# Allegro board LAY-38820_A.brd (continued)
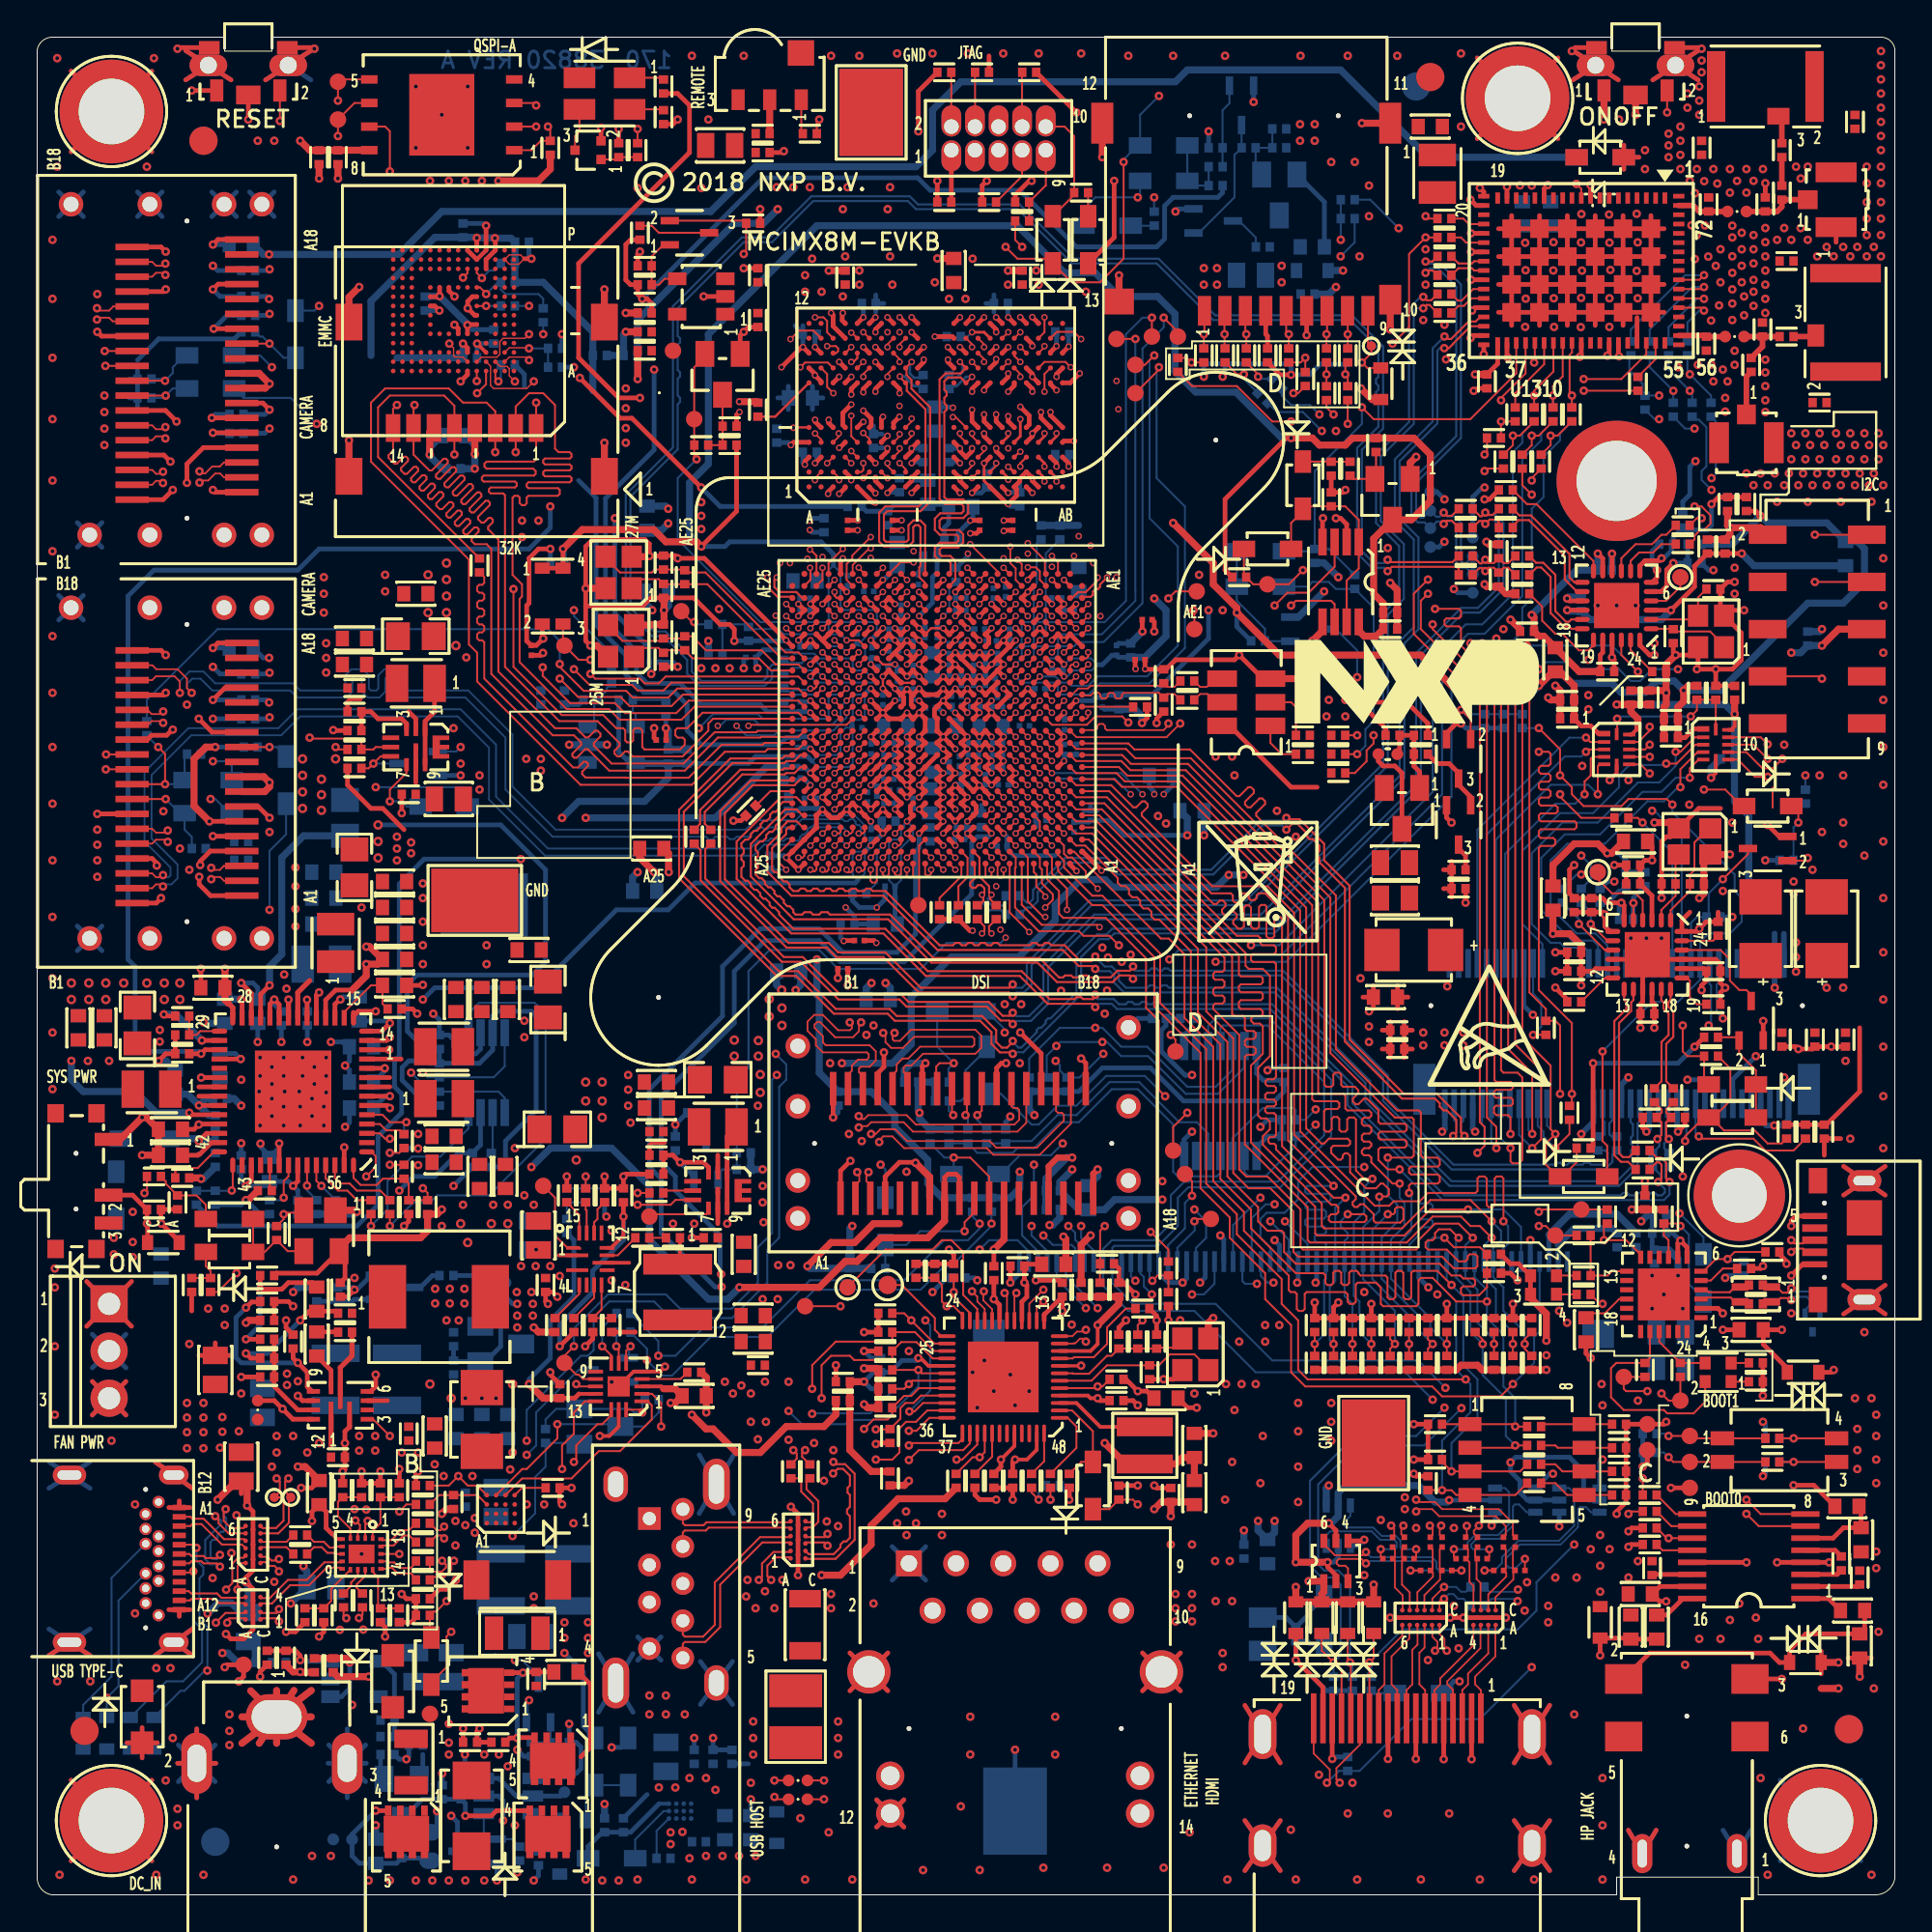
[diagram p0: board, top side]
## Routing (per net, layer and track width the routed paths; a pad name or vN(x,y) marks a point on that pad's centre or on a via; arc(x,y) is an arc through that point) (continued)
  TOP w0.33: J1501.A18 56.85,38.81 v1(57.09,39.05) ; J1501.A15 54.45,39.21 54.93,39.69 v1(55.71,39.69)
  TOP w0.381: v1(29.78,67.25) 30.14,67.25 Y401.4 ; Y402.4 29.54,70.33 v1(29.53,70.32) ; J1601.12 v1(57.34,93.54) ; v1(81.34,64.45) 81.47,64.32 C1432.2 ; v1(21.13,77.53) 21.13,78.73 J601.P6 ; v1(87.69,64.71) 87.69,64.07 87.57,63.95 C1435.2 C1436.2 ; v1(87.69,64.71) 87.57,64.83 C1434.2 C1433.2 ; v1(87.69,64.71) 87.69,64.83 87.69,64.83 R1330.1 87.69,66.22 v1(88.2,66.74) ; v1(68.26,65.54) 68.19,65.47 Y501.3 ; v1(44.51,26.4) 44.69,26.22 R1217.2 R1213.2 R1214.2 45.2,28.34 v1(44.51,28.34) ; v1(87.06,57.72) 88.05,57.72 Y1401.2 ; J1601.13 v1(58.24,87.18) ; J1501.A12 52.05,35.28 v1(51.5,34.73) ; v1(72.83,70.62) 73.21,70.25 C802.2 C801.2 ; C17.2 32.43,55.83 v1(33.21,55.05) ; v1(91.12,56) Y1401.4 89.72,55.66 C1429.2 89.72,53.9 v1(89.47,53.66) ; R1340.2 78.15,72.7 v1(78.02,72.83) ; J601.S2 v1(16.78,78.29) ; SW1701.1 v1(84.34,95.57) ; Y1201.2 63.04,30.79 v1(63.31,31.05) ; R939.2 14.18,11.98 v1(14.16,12) 13.78,12 13.4,12.38 R904.2 ; C211.2 v1(48.46,88.09) ; J1601.11 v1(71.31,95.37) ; C1102.2 v1(98.11,11.75) ; v1(17.33,86.55) 16.78,86 J601.S3 ; TVS1003.1 TVS1002.1 v1(67.75,16.57) ; TVS1003.1 TVS1004.1 TVS1005.1 v1(71.94,16.7) ; TVS1003.1 69.15,16.19 69.26,16.3 Q1001.1 v1(68.45,16.88) ; J1601.10 v1(72.84,84.26) ; v1(30.53,86.42) J601.S4 ; v1(81.72,65.09) 81.98,64.83 C1432.2 ; C208.2 v1(42.61,87.43) ; C1604.2 v1(31.69,85.15) ; C1317.2 79.83,68.13 v1(79.31,68.64) ; v1(32.96,72.07) 32.92,72.03 Y402.2 ; SW701.1 4.47,40.67 v1(5.65,41.85) 5.89,41.85 C757.2 C759.2 v1(5.65,39.81) ; C1432.2 C1431.2 ; v1(14.03,23.05) 14.43,23.05 C901.2 ; R925.2 22.04,20.77 v1(21.78,20.51) ; C213.2 v1(52.26,87.43) ; R720.1 11.37,37.4 v1(11.24,37.4) ; C613.2 v1(16.19,92.39) ; v1(36.02,25.97) C915.2 36.02,27.85 C914.1 ; C1603.2 v1(31.69,84.14) ; v1(77.91,70.55) 78.03,70.43 R1341.2 79.06,70.04 R1329.1 ; TVS1103.1 v1(96.96,12.51) ; 96.04,11.11 v1(96.96,11.11) ; C763.1 8.78,38.59 v1(8.83,38.54) ; C614.2 v1(15.18,92.39) ; v1(91.12,73.6) 90.99,73.72 C1315.2 ; v1(91.12,73.6) 92.77,73.6 J801.2 ; v1(91.12,73.6) 91.12,73.21 C1321.2 C1322.2 ; J1501.A7 48.05,38.64 v1(47.28,39.41) ; v1(71.26,81.09) 71.86,80.49 TVS1601.1 ; v1(74.23,77.41) 73.91,77.09 U801.1 ; Y401.2 33.04,68.35 33.08,68.38 C403.2 33.74,68.41 v1(33.74,69.15) 33.74,69.79 C404.2 ; v1(11.24,30.8) 11.37,30.92 R707.2 ; C1208.2 v1(63.31,24.84) ; v1(11.3,20.95) 11.3,21.95 C701.2 10.71,22.27 v1(9.71,21.27) ; v1(17.21,36.77) 17.12,36.85 U704.1 ; J601.S1 v1(30.53,78.17) ; C1703.2 v1(86.55,38.42) ; SW1701.3 v1(86.04,95.82)
  L2_GND_1 w0.102: 55.44,96.65 55.44,91.47
  L2_GND_1 w0.254: 77.52,98.88 BH1403.1 ; BH1403.1 77.52,94.54 ; BH1403.1 81.86,98.88 ; BH1403.1 81.86,94.54 ; J1502.T2 10.73,73.87 ; J1502.T2 10.73,72.54 ; J1502.T2 9.4,73.87 ; J1502.T2 9.4,72.54 ; J1501.T3 41.61,43.11 ; J1501.T3 40.29,41.79 ; J1501.T3 40.29,43.11 ; J1501.T3 41.61,41.79 ; 35.64,20.53 J903.S3 ; J903.S3 35.64,23.68 ; J903.S3 37.49,20.53 ; J903.S3 37.49,23.68 ; 58.08,47.35 J1501.T8 ; J1501.T8 59.41,47.35 ; J1501.T8 58.08,46.03 ; J1501.T8 59.41,46.03 ; 49.74,92.57 J401.3 51.22,92.57 ; 93.83,6.17 BH1404.1 ; BH1404.1 93.83,1.83 ; BH1404.1 98.17,1.83 ; BH1404.1 98.17,6.17 ; J901.SH1 8.35,23.31 ; J901.SH1 6.35,23.31 ; J901.SH1 8.35,21.89 ; J1502.T1 12.76,73.87 ; J1502.T1 12.76,72.54 ; J1502.T1 11.43,73.87 ; J1502.T1 11.43,72.54 ; J903.7 35.38,16.13 ; J903.7 34.13,17.38 ; J903.7 34.13,16.13 ; J903.7 35.38,17.38 ; 2.16,72.54 J1502.T4 ; J1502.T4 3.49,72.54 ; J1502.T4 3.49,73.87 ; J1502.T4 2.16,73.87 ; J1201.1 47.61,17.15 ; J1201.1 47.61,18.53 ; J1201.1 46.24,17.15 ; J1201.1 46.24,18.53 ; J1501.T1 41.61,37.08 ; J1501.T1 41.61,35.76 ; J1501.T1 40.29,37.08 ; J1501.T1 40.29,35.76 ; 30.28,23.26 J903.S1 ; J903.S1 32.01,23.26 ; J903.S1 32.01,20.95 ; J903.S1 30.28,20.95 ; 2.16,50.83 J1503.T4 ; J1503.T4 3.49,50.83 ; J1503.T4 2.16,52.15 ; J1503.T4 3.49,52.15 ; J1501.T7 59.41,41.79 ; J1501.T7 59.41,43.11 ; J1501.T7 58.08,41.79 ; J1501.T7 58.08,43.11 ; J802.3 4.78,25.83 ; J802.3 4.78,27.64 ; J802.3 2.97,25.83 ; J802.3 2.97,27.64 ; 7.56,7.08 J902.2 ; J902.2 8.59,5.23 ; J902.2 9.62,7.08 ; J902.2 8.59,8.94 ; J1503.T1 12.76,52.15 ; J1503.T1 11.43,52.15 ; J1503.T1 11.43,50.83 ; J1503.T1 12.76,50.83 ; 82.67,97.7 SW1701.7 ; SW1701.7 82.67,99.28 ; SW1701.7 85.11,97.7 ; 1.83,98.17 BH1402.1 ; BH1402.1 6.17,93.83 ; BH1402.1 6.17,98.17 ; BH1402.1 1.83,93.83 ; 0.63,14.31 J901.SH4 ; J901.SH4 2.85,12.89 ; J901.SH4 2.85,14.31 ; J901.SH4 0.63,12.89 ; J1001.G4 66.92,1.31 ; J1001.G4 65.01,4 ; J1001.G4 65.01,1.31 ; J1001.G4 66.92,4 ; 5.4,50.83 J1503.T3 ; J1503.T3 5.4,52.15 ; J1503.T3 6.73,52.15 ; J1503.T3 6.73,50.83 ; J902.3 16.69,8.94 ; J902.3 15.66,7.08 ; J902.3 17.72,7.08 ; J902.3 16.69,5.23 ; 1.16,91.67 J1502.T8 ; J1502.T8 2.49,90.34 ; J1502.T8 1.16,90.34 ; J1502.T8 2.49,91.67 ; 45.19,3.65 J1201.12 ; J1201.12 46.65,3.65 ; J1201.12 45.19,5.12 ; J1201.12 46.65,5.12 ; 30.22,12.98 J903.S2 ; J903.S2 32.07,12.98 ; J903.S2 32.07,9.83 ; J903.S2 30.22,9.83 ; 40.29,45.03 J1501.T4 ; J1501.T4 41.61,46.35 ; J1501.T4 41.61,45.03 ; J1001.G1 81.42,10.2 ; J1001.G1 79.51,7.1 ; J1001.G1 79.51,10.2 ; J1001.G1 81.42,7.1 ; J1001.G2 66.92,10.2 ; J1001.G2 66.92,7.1 ; J1001.G2 65.01,7.1 ; J1001.G2 65.01,10.2 ; 89.69,35.72 BH1405.1 ; BH1405.1 93.57,35.72 ; BH1405.1 89.69,39.59 ; BH1405.1 93.57,39.59 ; J1502.T6 10.73,91.67 ; J1502.T6 9.4,90.34 ; J1502.T6 10.73,90.34 ; J1502.T6 9.4,91.67 ; J1001.G3 81.42,4 ; J1001.G3 81.42,1.31 ; J1001.G3 79.51,4 ; J1001.G3 79.51,1.31 ; J1503.T5 12.76,68.63 ; J1503.T5 11.43,69.95 ; J1503.T5 11.43,68.63 ; J1503.T5 12.76,69.95 ; J1501.T6 59.41,37.79 ; J1501.T6 59.41,39.11 ; J1501.T6 58.08,39.11 ; J1501.T6 58.08,37.79 ; J1501.T5 59.41,37.08 ; J1501.T5 58.08,35.76 ; J1501.T5 58.08,37.08 ; J1501.T5 59.41,35.76 ; 0.63,23.31 J901.SH3 ; J901.SH3 2.85,21.89 ; J901.SH3 0.63,21.89 ; J901.SH3 2.85,23.31 ; 90.75,3.48 J1101.1 92.25,3.48 ; 11.43,90.34 J1502.T5 ; J1502.T5 12.76,90.34 ; J1502.T5 11.43,91.67 ; J1502.T5 12.76,91.67 ; SW1701.6 89.41,97.7 ; SW1701.6 89.41,99.28 ; SW1701.6 86.97,97.7 ; 5.4,73.87 J1502.T3 ; J1502.T3 6.73,73.87 ; J1502.T3 5.4,72.54 ; J1502.T3 6.73,72.54 ; J1503.T7 6.73,69.95 ; J1503.T7 5.4,68.63 ; J1503.T7 5.4,69.95 ; J1503.T7 6.73,68.63 ; 2.97,32.72 J802.1 ; J802.1 4.78,32.72 ; J802.1 2.97,30.91 ; J802.1 4.78,30.91 ; 85.65,3.48 J1101.4 87.15,3.48 ; SW1702.7 10.44,97.7 ; SW1702.7 8,97.7 ; SW1702.7 8,99.28 ; 1.83,1.83 BH1401.1 ; BH1401.1 1.83,6.17 ; BH1401.1 6.17,6.17 ; BH1401.1 6.17,1.83 ; 1.16,69.95 J1503.T8 ; J1503.T8 2.49,69.95 ; J1503.T8 2.49,68.63 ; J1503.T8 1.16,68.63 ; BH1406.1 87.41,78.5 ; BH1406.1 82.64,78.5 ; BH1406.1 87.41,73.73 ; BH1406.1 82.64,73.73 ; J1701.S1 99.48,32.82 ; J1701.S1 97.24,31.27 ; J1701.S1 99.48,31.27 ; J1701.S1 97.24,32.82 ; 9.4,52.15 J1503.T2 ; J1503.T2 10.73,52.15 ; J1503.T2 10.73,50.83 ; J1503.T2 9.4,50.83 ; 97.24,39.22 J1701.S2 ; J1701.S2 99.48,37.67 ; J1701.S2 99.48,39.22 ; J1701.S2 97.24,37.67 ; 5.4,90.34 J1502.T7 ; J1502.T7 6.73,91.67 ; J1502.T7 6.73,90.34 ; J1502.T7 5.4,91.67 ; 6.35,12.89 J901.SH2 ; J901.SH2 8.35,14.31 ; J901.SH2 8.35,12.89 ; SW1702.6 14.74,99.28 ; SW1702.6 12.3,97.7 ; SW1702.6 14.74,97.7 ; 51.01,92.57 J401.5 52.49,92.57 ; 32.33,12.63 J903.4 ; J903.4 32.33,13.88 ; J903.4 33.58,13.88 ; J903.4 33.58,12.63 ; J1501.T2 41.61,37.79 ; J1501.T2 41.61,39.11 ; J1501.T2 40.29,37.79 ; J1501.T2 40.29,39.11 ; 9.4,68.63 J1503.T6 ; J1503.T6 10.73,69.95 ; J1503.T6 9.4,69.95 ; J1503.T6 10.73,68.63 ; 35.7,10.25 J903.S4 ; J903.S4 37.43,12.56 ; J903.S4 37.43,10.25 ; J903.S4 35.7,12.56
  L3_POWER_1 w0.254: J1001.G3 81.42,4 ; J1001.G3 81.42,1.31 ; J1001.G3 79.51,1.31 ; J1001.G3 79.51,4 ; 6.35,12.89 J901.SH2 ; J901.SH2 7.35,14.24 J901.B1 ; J901.SH2 7.35,12.89 ; J802.1 4.78,32.72 ; J802.1 2.97,30.91 ; J802.1 2.97,32.72 ; J802.1 4.78,30.91 ; 8.35,23.31 J901.SH1 6.35,23.31 ; 93.83,1.83 BH1404.1 ; BH1404.1 98.17,6.17 ; BH1404.1 93.83,6.17 ; BH1404.1 98.17,1.83 ; J901.SH4 2.85,12.89 ; J901.SH4 0.63,12.89 ; J901.SH4 2.85,14.31 ; J901.SH4 0.63,14.31 ; SW1702.7 10.44,97.7 ; SW1702.7 8,97.7 ; SW1702.7 8,99.28 ; 1.83,93.83 BH1402.1 ; BH1402.1 6.17,98.17 ; BH1402.1 6.17,93.83 ; BH1402.1 1.83,98.17 ; BH1403.1 81.86,94.54 ; BH1403.1 77.52,98.88 ; BH1403.1 81.86,98.88 ; BH1403.1 77.52,94.54 ; 16.69,5.23 J902.3 ; J902.3 16.69,8.94 ; J902.3 15.66,7.08 ; J902.3 17.72,7.08 ; 45.19,3.65 J1201.12 ; J1201.12 46.65,3.65 ; J1201.12 46.65,5.12 ; J1201.12 45.19,5.12 ; J1001.G4 66.92,1.31 ; J1001.G4 66.92,4 ; J1001.G4 65.01,4 ; J1001.G4 65.01,1.31 ; BH1401.1 6.17,1.83 ; BH1401.1 1.83,6.17 ; BH1401.1 6.17,6.17 ; BH1401.1 1.83,1.83 ; J901.SH3 2.85,23.31 ; J901.SH3 0.63,21.89 ; J901.SH3 0.63,23.31 ; J901.SH3 2.85,21.89 ; J1701.S2 99.48,39.22 ; J1701.S2 99.48,37.67 ; J1701.S2 97.24,39.22 ; J1701.S2 97.24,37.67 ; 2.16,52.15 J1503.T4 2.16,50.83 ; SW1702.6 14.74,97.7 ; SW1702.6 12.3,97.7 ; SW1702.6 14.74,99.28 ; 87.15,3.48 J1101.4 85.65,3.48 ; J802.3 4.78,27.64 ; J802.3 4.78,25.83 ; J802.3 2.97,25.83 ; J802.3 2.97,27.64 ; SW1701.6 89.41,97.7 ; SW1701.6 89.41,99.28 ; SW1701.6 86.97,97.7 ; J1502.T7 6.73,91.67 ; J1502.T7 5.4,90.34 ; J1502.T7 5.4,91.67 ; J1502.T7 6.73,90.34 ; SW1701.7 85.11,97.7 ; SW1701.7 82.67,99.28 ; SW1701.7 82.67,97.7 ; J902.2 8.59,8.94 ; J902.2 7.56,7.08 ; J902.2 8.59,5.23 ; J902.2 9.62,7.08 ; 1.16,90.34 J1502.T8 ; J1502.T8 2.49,91.67 ; J1502.T8 2.49,90.34 ; J1502.T8 1.16,91.67 ; J1701.S1 99.48,32.82 ; J1701.S1 99.48,31.27 ; J1701.S1 97.24,31.27 ; J1701.S1 97.24,32.82 ; 92.25,3.48 J1101.1 90.75,3.48
  L4_INT_1 w0.254: 7.35,21.89 J901.SH1 8.35,21.89 ; J1701.S1 99.48,32.82 ; J1701.S1 99.48,31.27 ; J1701.S1 97.24,32.82 ; J1701.S1 97.24,31.27 ; BH1402.1 6.17,93.83 ; BH1402.1 1.83,93.83 ; BH1402.1 6.17,98.17 ; BH1402.1 1.83,98.17 ; J1502.T7 6.73,91.67 ; J1502.T7 5.4,90.34 ; J1502.T7 5.4,91.67 ; J1502.T7 6.73,90.34 ; SW1702.6 14.74,99.28 ; SW1702.6 12.3,97.7 ; SW1702.6 14.74,97.7 ; BH1404.1 98.17,1.83 ; BH1404.1 98.17,6.17 ; BH1404.1 93.83,6.17 ; BH1404.1 93.83,1.83 ; J901.SH4 2.85,14.31 ; J901.SH4 2.85,12.89 ; J901.SH4 0.63,12.89 ; J901.SH4 0.63,14.31 ; J1502.T6 10.73,90.34 ; J1502.T6 10.73,91.67 ; J1502.T6 9.4,90.34 ; J1502.T6 9.4,91.67 ; SW1702.7 10.44,97.7 ; SW1702.7 8,99.28 ; SW1702.7 8,97.7 ; BH1403.1 81.86,98.88 ; BH1403.1 77.52,98.88 ; BH1403.1 81.86,94.54 ; BH1403.1 77.52,94.54 ; 65.01,10.2 J1001.G2 ; J1001.G2 66.92,10.2 ; J1001.G2 66.92,7.1 ; J1001.G2 65.01,7.1 ; 65.01,4 J1001.G4 ; J1001.G4 65.01,1.31 ; J1001.G4 66.92,1.31 ; J1001.G4 66.92,4 ; BH1401.1 6.17,6.17 ; BH1401.1 6.17,1.83 ; BH1401.1 1.83,1.83 ; BH1401.1 1.83,6.17 ; J901.SH2 8.35,14.31 ; J901.SH2 8.35,12.89 ; J901.SH2 6.35,12.89 ; J1001.G3 81.42,4 ; J1001.G3 81.42,1.31 ; J1001.G3 79.51,1.31 ; J1001.G3 79.51,4 ; J1201.12 46.65,5.12 ; J1201.12 45.19,5.12 ; J1201.12 45.19,3.65 ; J1201.12 46.65,3.65 ; J1001.G1 81.42,7.1 ; J1001.G1 79.51,10.2 ; J1001.G1 79.51,7.1 ; J1001.G1 81.42,10.2 ; 87.15,3.48 J1101.4 85.65,3.48 ; 7.56,7.08 J902.2 ; J902.2 8.59,5.23 ; J902.2 9.62,7.08 ; J902.2 8.59,8.94 ; 82.64,78.5 BH1406.1 ; BH1406.1 87.41,78.5 ; BH1406.1 87.41,73.73 ; BH1406.1 82.64,73.73 ; SW1701.7 85.11,97.7 ; SW1701.7 82.67,99.28 ; SW1701.7 82.67,97.7 ; 89.69,35.72 BH1405.1 ; BH1405.1 93.57,35.72 ; BH1405.1 89.69,39.59 ; BH1405.1 93.57,39.59 ; J1701.S2 99.48,39.22 ; J1701.S2 99.48,37.67 ; J1701.S2 97.24,39.22 ; J1701.S2 97.24,37.67 ; 1.16,90.34 J1502.T8 ; J1502.T8 1.16,91.67 ; J1502.T8 2.49,90.34 ; J1502.T8 2.49,91.67 ; 11.43,90.34 J1502.T5 ; J1502.T5 12.76,91.67 ; J1502.T5 12.76,90.34 ; J1502.T5 11.43,91.67 ; 2.85,21.89 J901.SH3 0.63,21.89 ; J1201.1 47.61,17.15 ; J1201.1 47.61,18.53 ; J1201.1 46.24,18.53 ; J1201.1 46.24,17.15 ; SW1701.6 89.41,99.28 ; SW1701.6 89.41,97.7 ; SW1701.6 86.97,97.7 ; 92.25,3.48 J1101.1 90.75,3.48
  L5_GND_2 w0.254: 82.64,73.73 BH1406.1 ; BH1406.1 87.41,78.5 ; BH1406.1 87.41,73.73 ; BH1406.1 82.64,78.5 ; J901.SH2 8.35,12.89 ; J901.SH2 6.35,12.89 ; J901.SH2 8.35,14.31 ; 9.4,90.34 J1502.T6 ; J1502.T6 10.73,90.34 ; J1502.T6 9.4,91.67 ; J1502.T6 10.73,91.67 ; J1501.T5 59.41,35.76 ; J1501.T5 59.41,37.08 ; J1501.T5 58.08,35.76 ; J1501.T5 58.08,37.08 ; BH1402.1 6.17,98.17 ; BH1402.1 6.17,93.83 ; BH1402.1 1.83,93.83 ; BH1402.1 1.83,98.17 ; J1503.T4 3.49,50.83 ; J1503.T4 2.16,52.15 ; J1503.T4 2.16,50.83 ; J1503.T4 3.49,52.15 ; J802.3 4.78,25.83 ; J802.3 2.97,25.83 ; J802.3 4.78,27.64 ; J802.3 2.97,27.64 ; 92.25,3.48 J1101.1 90.75,3.48 ; 40.29,37.08 J1501.T1 ; J1501.T1 40.29,35.76 ; J1501.T1 41.61,37.08 ; J1501.T1 41.61,35.76 ; J901.SH4 2.85,14.31 ; J901.SH4 0.63,14.31 ; J901.SH4 2.85,12.89 ; J901.SH4 0.63,12.89 ; J1503.T2 10.73,50.83 ; J1503.T2 9.4,50.83 ; J1503.T2 10.73,52.15 ; J1503.T2 9.4,52.15 ; 2.16,73.87 J1502.T4 ; J1502.T4 3.49,72.54 ; J1502.T4 3.49,73.87 ; J1502.T4 2.16,72.54 ; 77.52,94.54 BH1403.1 ; BH1403.1 81.86,98.88 ; BH1403.1 77.52,98.88 ; BH1403.1 81.86,94.54 ; 79.51,7.1 J1001.G1 ; J1001.G1 81.42,7.1 ; J1001.G1 81.42,10.2 ; J1001.G1 79.51,10.2 ; BH1405.1 93.57,39.59 ; BH1405.1 89.69,35.72 ; BH1405.1 93.57,35.72 ; BH1405.1 89.69,39.59 ; 8.59,5.23 J902.2 ; J902.2 9.62,7.08 ; J902.2 7.56,7.08 ; J902.2 8.59,8.94 ; J1502.T5 12.76,91.67 ; J1502.T5 11.43,91.67 ; J1502.T5 11.43,90.34 ; J1502.T5 12.76,90.34 ; 32.33,13.88 J903.4 ; J903.4 33.58,13.88 ; J903.4 33.58,12.63 ; J903.4 32.33,12.63 ; J1001.G2 66.92,10.2 ; J1001.G2 65.01,7.1 ; J1001.G2 66.92,7.1 ; J1001.G2 65.01,10.2 ; J1201.12 46.65,5.12 ; J1201.12 45.19,5.12 ; J1201.12 45.19,3.65 ; J1201.12 46.65,3.65 ; 9.4,69.95 J1503.T6 ; J1503.T6 9.4,68.63 ; J1503.T6 10.73,69.95 ; J1503.T6 10.73,68.63 ; 85.65,3.48 J1101.4 87.15,3.48 ; J1501.T4 41.61,46.35 ; J1501.T4 41.61,45.03 ; J1501.T4 40.29,45.03 ; 35.7,10.25 J903.S4 ; J903.S4 37.43,10.25 ; J903.S4 35.7,12.56 ; J903.S4 37.43,12.56 ; 79.51,4 J1001.G3 ; J1001.G3 81.42,1.31 ; J1001.G3 81.42,4 ; J1001.G3 79.51,1.31 ; 8,99.28 SW1702.7 ; SW1702.7 8,97.7 ; SW1702.7 10.44,97.7 ; 1.83,1.83 BH1401.1 ; BH1401.1 6.17,1.83 ; BH1401.1 1.83,6.17 ; BH1401.1 6.17,6.17 ; 97.24,39.22 J1701.S2 ; J1701.S2 97.24,37.67 ; J1701.S2 99.48,37.67 ; J1701.S2 99.48,39.22 ; SW1701.7 85.11,97.7 ; SW1701.7 82.67,97.7 ; SW1701.7 82.67,99.28 ; 58.08,41.79 J1501.T7 ; J1501.T7 58.08,43.11 ; J1501.T7 59.41,41.79 ; J1501.T7 59.41,43.11 ; 35.64,23.68 J903.S3 ; J903.S3 37.49,20.53 ; J903.S3 37.49,23.68 ; J903.S3 35.64,20.53 ; 5.4,90.34 J1502.T7 ; J1502.T7 6.73,91.67 ; J1502.T7 6.73,90.34 ; J1502.T7 5.4,91.67 ; 11.43,52.15 J1503.T1 ; J1503.T1 11.43,50.83 ; J1503.T1 12.76,50.83 ; J1503.T1 12.76,52.15 ; 16.69,5.23 J902.3 ; J902.3 16.69,8.94 ; J902.3 17.72,7.08 ; J902.3 15.66,7.08 ; J1501.T2 41.61,39.11 ; J1501.T2 40.29,37.79 ; J1501.T2 41.61,37.79 ; J1501.T2 40.29,39.11 ; 5.4,52.15 J1503.T3 ; J1503.T3 5.4,50.83 ; J1503.T3 6.73,52.15 ; J1503.T3 6.73,50.83 ; 52.49,92.57 J401.5 51.01,92.57 ; J1503.T7 6.73,69.95 ; J1503.T7 6.73,68.63 ; J1503.T7 5.4,69.95 ; J1503.T7 5.4,68.63 ; J802.1 4.78,32.72 ; J802.1 4.78,30.91 ; J802.1 2.97,32.72 ; J802.1 2.97,30.91 ; 11.43,68.63 J1503.T5 ; J1503.T5 11.43,69.95 ; J1503.T5 12.76,69.95 ; J1503.T5 12.76,68.63 ; 86.97,97.7 SW1701.6 ; SW1701.6 89.41,97.7 ; SW1701.6 89.41,99.28 ; J901.SH1 8.35,21.89 ; J901.SH1 8.35,23.31 ; J901.SH1 6.35,23.31 ; J1201.1 47.61,17.15 ; J1201.1 47.61,18.53 ; J1201.1 46.24,17.15 ; J1201.1 46.24,18.53 ; J1502.T3 6.73,73.87 ; J1502.T3 6.73,72.54 ; J1502.T3 5.4,73.87 ; J1502.T3 5.4,72.54 ; BH1404.1 98.17,6.17 ; BH1404.1 93.83,6.17 ; BH1404.1 98.17,1.83 ; BH1404.1 93.83,1.83 ; 30.28,23.26 J903.S1 ; J903.S1 32.01,20.95 ; J903.S1 32.01,23.26 ; J903.S1 30.28,20.95 ; 0.63,23.31 J901.SH3 ; J901.SH3 2.85,21.89 ; J901.SH3 2.85,23.31 ; J901.SH3 0.63,21.89 ; 65.01,1.31 J1001.G4 ; J1001.G4 66.92,4 ; J1001.G4 66.92,1.31 ; J1001.G4 65.01,4 ; 58.08,46.03 J1501.T8 ; J1501.T8 59.41,47.35 ; J1501.T8 58.08,47.35 ; J1501.T8 59.41,46.03 ; 34.13,17.38 J903.7 ; J903.7 35.38,16.13 ; J903.7 34.13,16.13 ; J903.7 35.38,17.38 ; 9.4,72.54 J1502.T2 ; J1502.T2 10.73,73.87 ; J1502.T2 10.73,72.54 ; J1502.T2 9.4,73.87 ; 97.24,32.82 J1701.S1 ; J1701.S1 97.24,31.27 ; J1701.S1 99.48,31.27 ; J1701.S1 99.48,32.82 ; 58.08,37.79 J1501.T6 ; J1501.T6 59.41,39.11 ; J1501.T6 58.08,39.11 ; J1501.T6 59.41,37.79 ; 1.16,91.67 J1502.T8 ; J1502.T8 1.16,90.34 ; J1502.T8 2.49,91.67 ; J1502.T8 2.49,90.34 ; 11.43,73.87 J1502.T1 ; J1502.T1 11.43,72.54 ; J1502.T1 12.76,73.87 ; J1502.T1 12.76,72.54 ; J1501.T3 41.61,43.11 ; J1501.T3 40.29,41.79 ; J1501.T3 41.61,41.79 ; J1501.T3 40.29,43.11 ; 49.74,92.57 J401.3 51.22,92.57 ; J903.S2 32.07,9.83 ; J903.S2 30.22,12.98 ; J903.S2 32.07,12.98 ; J903.S2 30.22,9.83 ; SW1702.6 14.74,99.28 ; SW1702.6 14.74,97.7 ; SW1702.6 12.3,97.7 ; J1503.T8 2.49,69.95 ; J1503.T8 1.16,68.63 ; J1503.T8 2.49,68.63 ; J1503.T8 1.16,69.95
  L6_INT_2 w0.254: 6.35,12.89 J901.SH2 ; J901.SH2 8.35,12.89 ; J901.SH2 8.35,14.31 ; 45.19,3.65 J1201.12 ; J1201.12 46.65,5.12 ; J1201.12 45.19,5.12 ; J1201.12 46.65,3.65 ; J901.SH3 2.85,21.89 ; J901.SH3 2.85,23.31 ; J901.SH3 0.63,21.89 ; J901.SH3 0.63,23.31 ; J1701.S2 99.48,37.67 ; J1701.S2 99.48,39.22 ; J1701.S2 97.24,39.22 ; J1701.S2 97.24,37.67 ; 86.97,97.7 SW1701.6 ; SW1701.6 89.41,99.28 ; SW1701.6 89.41,97.7 ; J802.1 4.78,32.72 ; J802.1 4.78,30.91 ; J802.1 2.97,30.91 ; J802.1 2.97,32.72 ; 65.01,10.2 J1001.G2 ; J1001.G2 66.92,10.2 ; J1001.G2 65.01,7.1 ; J1001.G2 66.92,7.1 ; 89.69,35.72 BH1405.1 ; BH1405.1 93.57,35.72 ; BH1405.1 89.69,39.59 ; BH1405.1 93.57,39.59 ; BH1404.1 98.17,6.17 ; BH1404.1 93.83,6.17 ; BH1404.1 93.83,1.83 ; BH1404.1 98.17,1.83 ; J1001.G3 81.42,1.31 ; J1001.G3 79.51,4 ; J1001.G3 81.42,4 ; J1001.G3 79.51,1.31 ; 2.97,25.83 J802.3 ; J802.3 4.78,27.64 ; J802.3 4.78,25.83 ; J802.3 2.97,27.64 ; 16.69,5.23 J902.3 ; J902.3 17.72,7.08 ; J902.3 15.66,7.08 ; J902.3 16.69,8.94 ; 85.65,3.48 J1101.4 87.15,3.48 ; J1503.T8 2.49,69.95 ; J1503.T8 2.49,68.63 ; J1503.T8 1.16,68.63 ; J1503.T8 1.16,69.95 ; 2.16,73.87 J1502.T4 ; J1502.T4 3.49,72.54 ; J1502.T4 3.49,73.87 ; J1502.T4 2.16,72.54 ; J902.2 9.62,7.08 ; J902.2 8.59,5.23 ; J902.2 7.56,7.08 ; J902.2 8.59,8.94 ; J901.SH4 2.85,14.31 ; J901.SH4 0.63,14.31 ; J901.SH4 0.63,12.89 ; J901.SH4 2.85,12.89 ; 82.67,99.28 SW1701.7 ; SW1701.7 85.11,97.7 ; SW1701.7 82.67,97.7 ; J1503.T4 3.49,52.15 ; J1503.T4 2.16,50.83 ; J1503.T4 2.16,52.15 ; J1503.T4 3.49,50.83 ; SW1702.7 10.44,97.7 ; SW1702.7 8,97.7 ; SW1702.7 8,99.28 ; J1502.T8 2.49,91.67 ; J1502.T8 2.49,90.34 ; J1502.T8 1.16,90.34 ; J1502.T8 1.16,91.67 ; J1502.T7 6.73,91.67 ; J1502.T7 6.73,90.34 ; J1502.T7 5.4,91.67 ; J1502.T7 5.4,90.34 ; J1001.G1 81.42,10.2 ; J1001.G1 79.51,7.1 ; J1001.G1 81.42,7.1 ; J1001.G1 79.51,10.2 ; J1701.S1 99.48,32.82 ; J1701.S1 97.24,32.82 ; J1701.S1 97.24,31.27 ; J1701.S1 99.48,31.27 ; 12.3,97.7 SW1702.6 ; SW1702.6 14.74,97.7 ; SW1702.6 14.74,99.28 ; 65.01,1.31 J1001.G4 ; J1001.G4 65.01,4 ; J1001.G4 66.92,1.31 ; J1001.G4 66.92,4 ; BH1402.1 6.17,93.83 ; BH1402.1 1.83,93.83 ; BH1402.1 1.83,98.17 ; BH1402.1 6.17,98.17 ; 1.83,1.83 BH1401.1 ; BH1401.1 6.17,1.83 ; BH1401.1 6.17,6.17 ; BH1401.1 1.83,6.17 ; 77.52,98.88 BH1403.1 ; BH1403.1 77.52,94.54 ; BH1403.1 81.86,94.54 ; BH1403.1 81.86,98.88 ; J901.SH1 8.35,23.31 ; J901.SH1 6.35,23.31 ; J901.SH1 8.35,21.89 ; 92.25,3.48 J1101.1 90.75,3.48
  L7_GND_3 w0.254: 5.4,73.87 J1502.T3 ; J1502.T3 6.73,72.54 ; J1502.T3 5.4,72.54 ; J1502.T3 6.73,73.87 ; J1503.T8 2.49,69.95 ; J1503.T8 1.16,68.63 ; J1503.T8 2.49,68.63 ; J1503.T8 1.16,69.95 ; J1502.T8 2.49,90.34 ; J1502.T8 1.16,90.34 ; J1502.T8 2.49,91.67 ; J1502.T8 1.16,91.67 ; 58.08,41.79 J1501.T7 ; J1501.T7 59.41,43.11 ; J1501.T7 59.41,41.79 ; J1501.T7 58.08,43.11 ; 1.83,6.17 BH1401.1 ; BH1401.1 6.17,6.17 ; BH1401.1 6.17,1.83 ; BH1401.1 1.83,1.83 ; 5.4,50.83 J1503.T3 ; J1503.T3 6.73,50.83 ; J1503.T3 5.4,52.15 ; J1503.T3 6.73,52.15 ; J1502.T6 10.73,90.34 ; J1502.T6 9.4,90.34 ; J1502.T6 9.4,91.67 ; J1502.T6 10.73,91.67 ; J902.3 16.69,8.94 ; J902.3 17.72,7.08 ; J902.3 15.66,7.08 ; J902.3 16.69,5.23 ; J1503.T5 12.76,68.63 ; J1503.T5 11.43,69.95 ; J1503.T5 12.76,69.95 ; J1503.T5 11.43,68.63 ; 58.08,37.79 J1501.T6 ; J1501.T6 59.41,39.11 ; J1501.T6 58.08,39.11 ; J1501.T6 59.41,37.79 ; J802.1 4.78,32.72 ; J802.1 2.97,30.91 ; J802.1 2.97,32.72 ; J802.1 4.78,30.91 ; J903.S4 37.43,10.25 ; J903.S4 35.7,10.25 ; J903.S4 37.43,12.56 ; J903.S4 35.7,12.56 ; J1503.T6 10.73,69.95 ; J1503.T6 10.73,68.63 ; J1503.T6 9.4,69.95 ; J1503.T6 9.4,68.63 ; 30.22,12.98 J903.S2 ; J903.S2 30.22,9.83 ; J903.S2 32.07,12.98 ; J903.S2 32.07,9.83 ; 82.64,78.5 BH1406.1 ; BH1406.1 87.41,78.5 ; BH1406.1 82.64,73.73 ; BH1406.1 87.41,73.73 ; J903.7 35.38,16.13 ; J903.7 34.13,16.13 ; J903.7 34.13,17.38 ; J903.7 35.38,17.38 ; J1501.T8 59.41,46.03 ; J1501.T8 59.41,47.35 ; J1501.T8 58.08,46.03 ; J1501.T8 58.08,47.35 ; 97.24,39.22 J1701.S2 ; J1701.S2 99.48,37.67 ; J1701.S2 97.24,37.67 ; J1701.S2 99.48,39.22 ; 93.83,1.83 BH1404.1 ; BH1404.1 98.17,6.17 ; BH1404.1 98.17,1.83 ; BH1404.1 93.83,6.17 ; 11.43,72.54 J1502.T1 ; J1502.T1 12.76,72.54 ; J1502.T1 11.43,73.87 ; J1502.T1 12.76,73.87 ; 11.43,91.67 J1502.T5 ; J1502.T5 12.76,90.34 ; J1502.T5 12.76,91.67 ; J1502.T5 11.43,90.34 ; 77.52,94.54 BH1403.1 ; BH1403.1 77.52,98.88 ; BH1403.1 81.86,94.54 ; BH1403.1 81.86,98.88 ; 0.63,23.31 J901.SH3 ; J901.SH3 2.85,23.31 ; J901.SH3 2.85,21.89 ; J901.SH3 0.63,21.89 ; 35.64,23.68 J903.S3 ; J903.S3 35.64,20.53 ; J903.S3 37.49,20.53 ; J903.S3 37.49,23.68 ; J1503.T4 3.49,50.83 ; J1503.T4 3.49,52.15 ; J1503.T4 2.16,52.15 ; J1503.T4 2.16,50.83 ; 58.08,35.76 J1501.T5 ; J1501.T5 59.41,35.76 ; J1501.T5 58.08,37.08 ; J1501.T5 59.41,37.08 ; J1502.T2 10.73,72.54 ; J1502.T2 10.73,73.87 ; J1502.T2 9.4,72.54 ; J1502.T2 9.4,73.87 ; 79.51,1.31 J1001.G3 ; J1001.G3 81.42,4 ; J1001.G3 79.51,4 ; J1001.G3 81.42,1.31 ; 45.19,5.12 J1201.12 ; J1201.12 45.19,3.65 ; J1201.12 46.65,3.65 ; J1201.12 46.65,5.12 ; 30.28,23.26 J903.S1 ; J903.S1 32.01,20.95 ; J903.S1 32.01,23.26 ; J903.S1 30.28,20.95 ; 0.63,12.89 J901.SH4 ; J901.SH4 0.63,14.31 ; J901.SH4 2.85,14.31 ; J901.SH4 2.85,12.89 ; SW1702.6 14.74,99.28 ; SW1702.6 12.3,97.7 ; SW1702.6 14.74,97.7 ; 85.65,3.48 J1101.4 87.15,3.48 ; 40.29,37.79 J1501.T2 ; J1501.T2 41.61,37.79 ; J1501.T2 40.29,39.11 ; J1501.T2 41.61,39.11 ; 40.29,45.03 J1501.T4 ; J1501.T4 41.61,45.03 ; J1501.T4 41.61,46.35 ; J1501.T1 41.61,35.76 ; J1501.T1 41.61,37.08 ; J1501.T1 40.29,37.08 ; J1501.T1 40.29,35.76 ; 79.51,7.1 J1001.G1 ; J1001.G1 81.42,10.2 ; J1001.G1 81.42,7.1 ; J1001.G1 79.51,10.2 ; 2.97,25.83 J802.3 ; J802.3 4.78,25.83 ; J802.3 4.78,27.64 ; J802.3 2.97,27.64 ; J1201.1 47.61,18.53 ; J1201.1 46.24,18.53 ; J1201.1 47.61,17.15 ; J1201.1 46.24,17.15 ; J1503.T1 12.76,50.83 ; J1503.T1 11.43,52.15 ; J1503.T1 11.43,50.83 ; J1503.T1 12.76,52.15 ; J1503.T7 6.73,69.95 ; J1503.T7 5.4,69.95 ; J1503.T7 6.73,68.63 ; J1503.T7 5.4,68.63 ; 8.59,5.23 J902.2 ; J902.2 9.62,7.08 ; J902.2 7.56,7.08 ; J902.2 8.59,8.94 ; 86.97,97.7 SW1701.6 ; SW1701.6 89.41,99.28 ; SW1701.6 89.41,97.7 ; J1502.T7 6.73,90.34 ; J1502.T7 5.4,90.34 ; J1502.T7 5.4,91.67 ; J1502.T7 6.73,91.67 ; 82.67,97.7 SW1701.7 ; SW1701.7 82.67,99.28 ; SW1701.7 85.11,97.7 ; 9.4,50.83 J1503.T2 ; J1503.T2 9.4,52.15 ; J1503.T2 10.73,52.15 ; J1503.T2 10.73,50.83 ; 6.35,12.89 J901.SH2 ; J901.SH2 8.35,14.31 ; J901.SH2 8.35,12.89 ; 51.01,92.57 J401.5 52.49,92.57 ; 97.24,32.82 J1701.S1 ; J1701.S1 97.24,31.27 ; J1701.S1 99.48,32.82 ; J1701.S1 99.48,31.27 ; 65.01,4 J1001.G4 ; J1001.G4 66.92,4 ; J1001.G4 66.92,1.31 ; J1001.G4 65.01,1.31 ; J1501.T3 41.61,41.79 ; J1501.T3 40.29,41.79 ; J1501.T3 40.29,43.11 ; J1501.T3 41.61,43.11 ; 2.16,72.54 J1502.T4 ; J1502.T4 3.49,73.87 ; J1502.T4 3.49,72.54 ; J1502.T4 2.16,73.87 ; BH1402.1 6.17,93.83 ; BH1402.1 1.83,93.83 ; BH1402.1 6.17,98.17 ; BH1402.1 1.83,98.17 ; 90.75,3.48 J1101.1 92.25,3.48 ; J903.4 33.58,12.63 ; J903.4 33.58,13.88 ; J903.4 32.33,13.88 ; J903.4 32.33,12.63 ; SW1702.7 10.44,97.7 ; SW1702.7 8,99.28 ; SW1702.7 8,97.7 ; 89.69,35.72 BH1405.1 ; BH1405.1 93.57,35.72 ; BH1405.1 89.69,39.59 ; BH1405.1 93.57,39.59 ; 65.01,10.2 J1001.G2 ; J1001.G2 66.92,7.1 ; J1001.G2 66.92,10.2 ; J1001.G2 65.01,7.1 ; 49.74,92.57 J401.3 51.22,92.57 ; 6.35,23.31 J901.SH1 ; J901.SH1 8.35,21.89 ; J901.SH1 8.35,23.31
  L8_INT_3 w0.254: 0.63,12.89 J901.SH4 ; J901.SH4 0.63,14.31 ; J901.SH4 2.85,12.89 ; J901.SH4 2.85,14.31 ; 15.66,7.08 J902.3 ; J902.3 17.72,7.08 ; J902.3 16.69,5.23 ; J902.3 16.69,8.94 ; SW1702.6 14.74,97.7 ; SW1702.6 12.3,97.7 ; SW1702.6 14.74,99.28 ; 1.83,6.17 BH1401.1 ; BH1401.1 1.83,1.83 ; BH1401.1 6.17,1.83 ; BH1401.1 6.17,6.17 ; J902.2 8.59,8.94 ; J902.2 8.59,5.23 ; J902.2 9.62,7.08 ; J902.2 7.56,7.08 ; J901.SH3 2.85,23.31 ; J901.SH3 0.63,23.31 ; J901.SH3 0.63,21.89 ; J901.SH3 2.85,21.89 ; 8,99.28 SW1702.7 ; SW1702.7 8,97.7 ; SW1702.7 10.44,97.7 ; BH1404.1 98.17,1.83 ; BH1404.1 93.83,1.83 ; BH1404.1 98.17,6.17 ; BH1404.1 93.83,6.17 ; 87.15,3.48 J1101.4 85.65,3.48 ; 86.97,97.7 SW1701.6 ; SW1701.6 89.41,99.28 ; SW1701.6 89.41,97.7 ; J1001.G3 81.42,1.31 ; J1001.G3 79.51,4 ; J1001.G3 81.42,4 ; J1001.G3 79.51,1.31 ; 79.51,7.1 J1001.G1 ; J1001.G1 79.51,10.2 ; J1001.G1 81.42,10.2 ; J1001.G1 81.42,7.1 ; 2.16,72.54 J1502.T4 2.16,73.87 ; 5.4,90.34 J1502.T7 ; J1502.T7 5.4,91.67 ; J1502.T7 6.73,91.67 ; J1502.T7 6.73,90.34 ; J802.3 4.78,25.83 ; J802.3 2.97,25.83 ; J802.3 2.97,27.64 ; J1503.T8 2.49,69.95 ; J1503.T8 1.16,69.95 ; J1503.T8 2.49,68.63 ; J1503.T8 1.16,68.63 ; 65.01,1.31 J1001.G4 ; J1001.G4 66.92,4 ; J1001.G4 65.01,4 ; J1001.G4 66.92,1.31 ; 89.69,39.59 BH1405.1 ; BH1405.1 89.69,35.72 ; BH1405.1 93.57,35.72 ; BH1405.1 93.57,39.59 ; SW1701.7 85.11,97.7 ; SW1701.7 82.67,97.7 ; SW1701.7 82.67,99.28 ; 1.83,98.17 BH1402.1 ; BH1402.1 6.17,98.17 ; BH1402.1 1.83,93.83 ; BH1402.1 6.17,93.83 ; 90.75,3.48 J1101.1 92.25,3.48 ; J1502.T8 2.49,90.34 ; J1502.T8 2.49,91.67 ; J1502.T8 1.16,91.67 ; J1502.T8 1.16,90.34 ; 77.52,98.88 BH1403.1 ; BH1403.1 81.86,94.54 ; BH1403.1 77.52,94.54 ; BH1403.1 81.86,98.88